# Altium PCB [Ref] EEG_Measurement_Bd.PcbDoc (part 2 of 2)
Units mm, origin at the board's own origin, x right, y up, seen from the top; angles counter-clockwise.
Board outline 150 x 97.5 mm, 4 copper layers (L1 (Sig), L2 (GND), L3 (PWR), L4 (Sig)), stack 1.57 mm thick; 171 components, 86 nets, 466 pads, 394 vias.
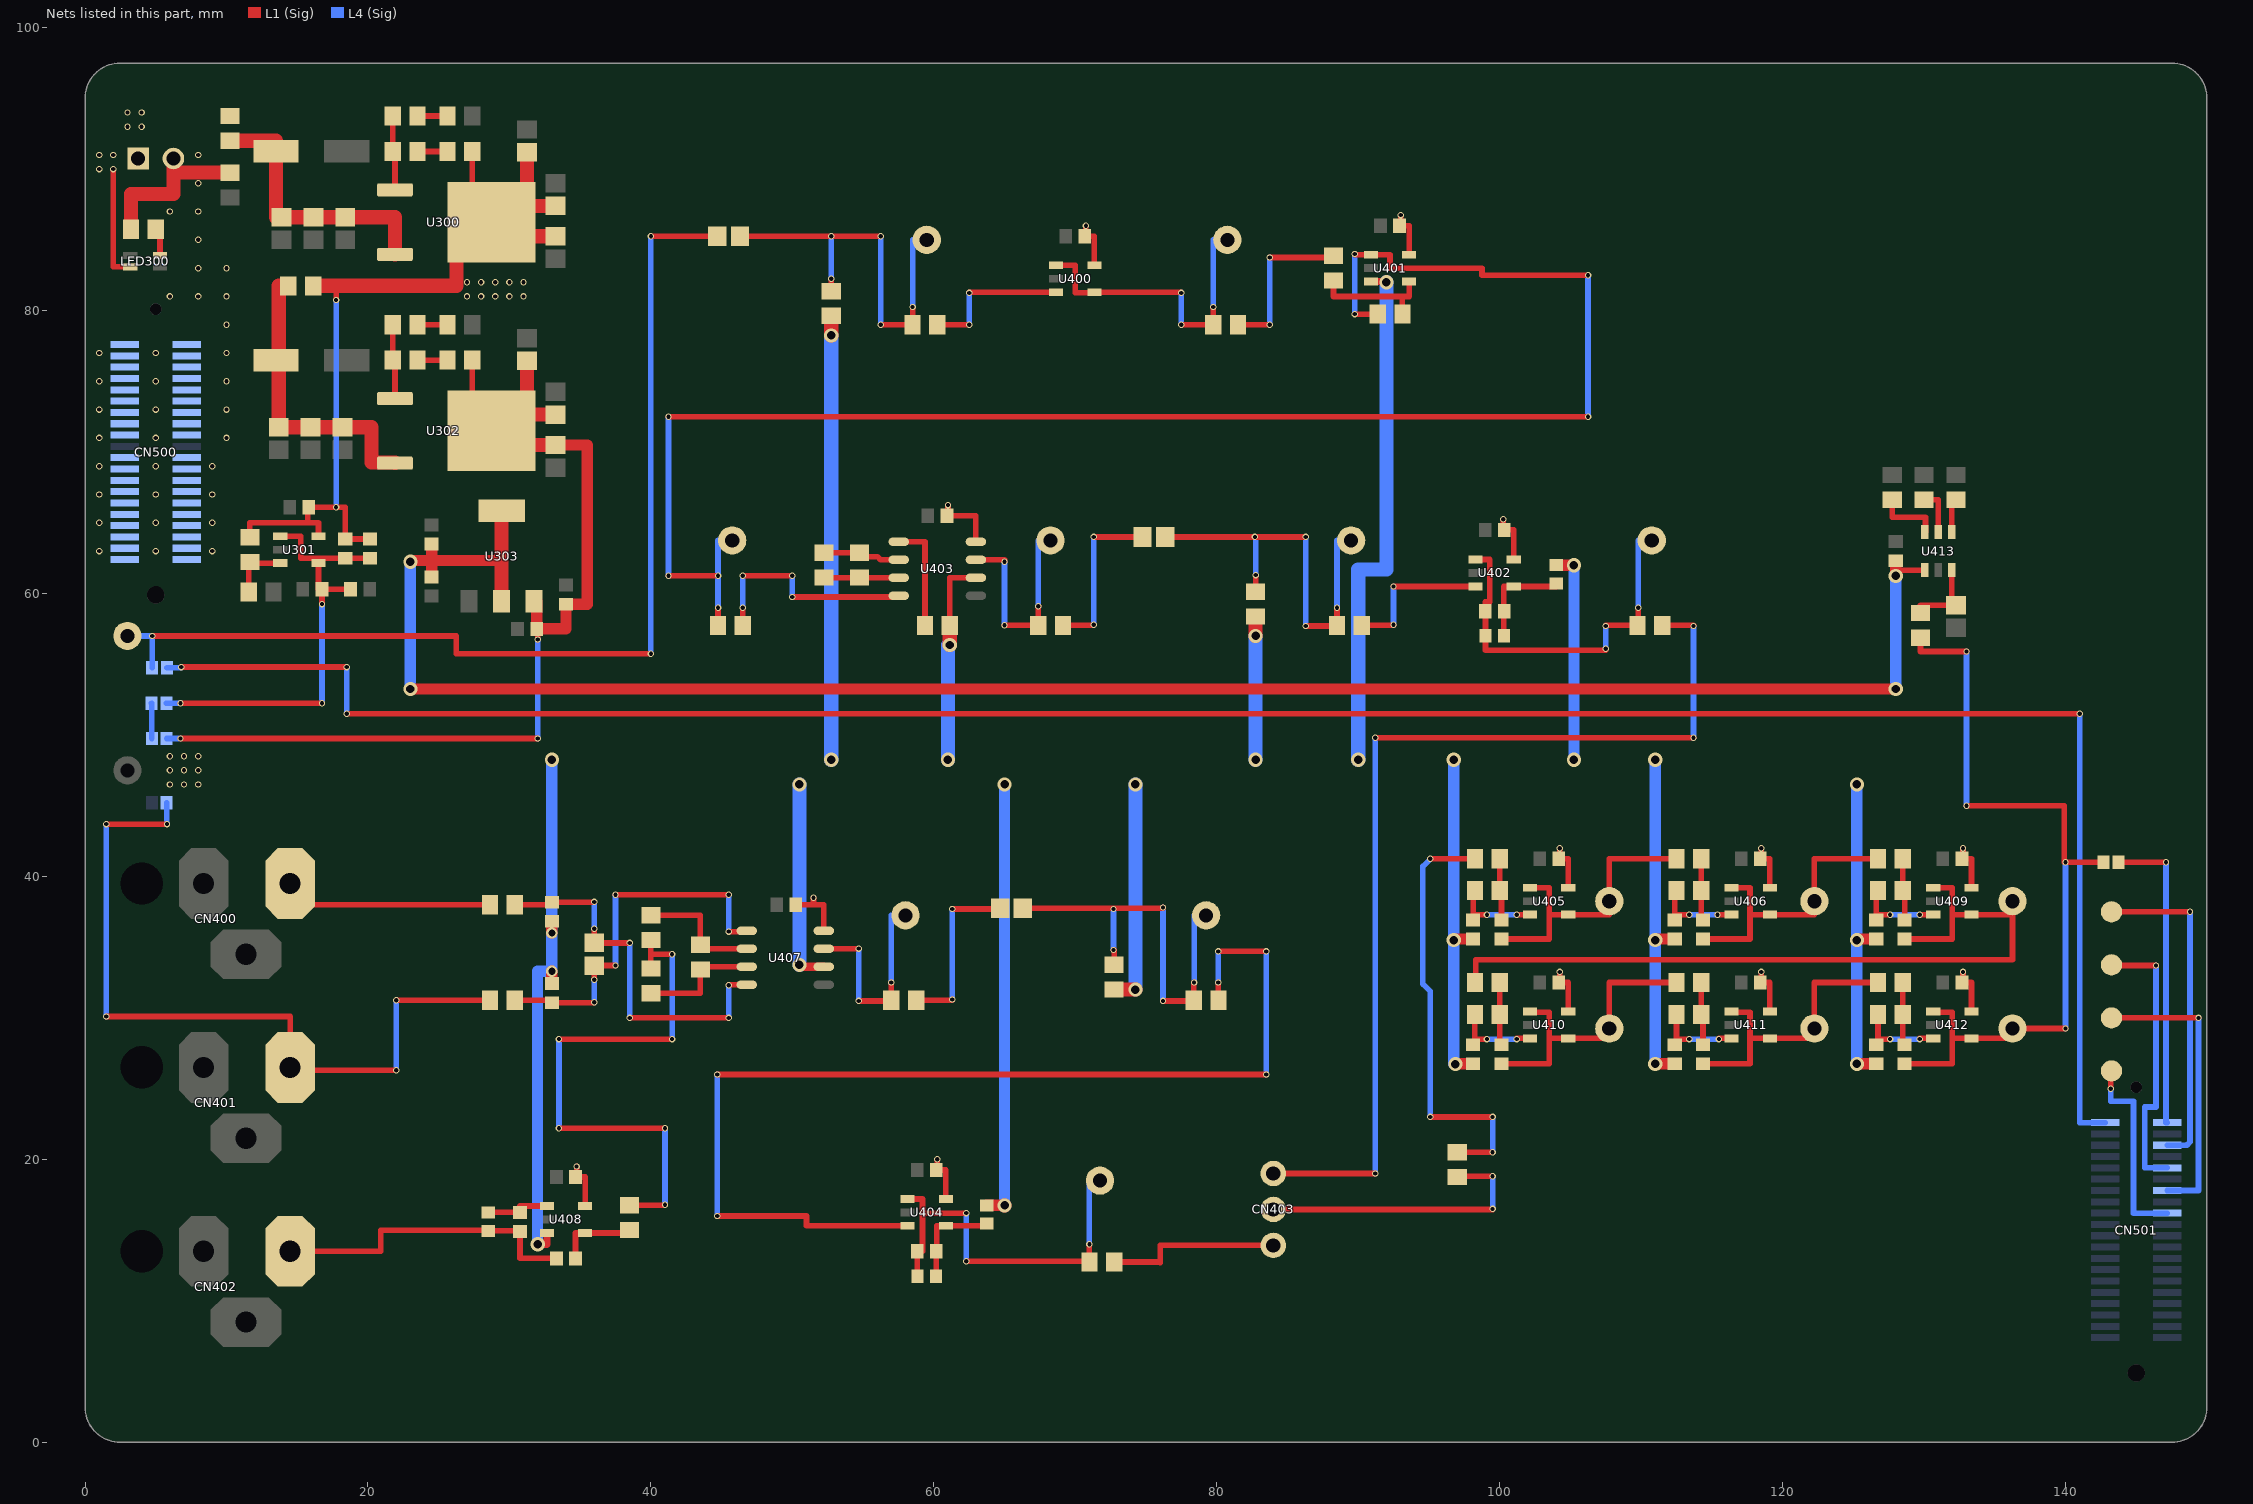
[diagram p4: the nets of this part, all layers, seen from the top]

## Via types
v1: diameter 0.45, hole 0.3, L1 (Sig) to L4 (Sig), tented both sides, 361 vias
v2: diameter 1, hole 0.6, L1 (Sig) to L4 (Sig), tented both sides, 31 vias
v3: diameter 0.8, hole 0.5, L1 (Sig) to L4 (Sig), tented both sides, 2 vias

## Nets (pads, with @x,y where several pads share a name; then routed paths per layer and width w, separated by ;. In a path a pad name is that pad's centre, name@x,y a point inside that pad or via, vN(x,y) a via of type N, cw(c..) or ccw(c..) an arc to the next point about the centre after c; other vN are vias at no path point) (continued)
AN_REF1: C409.1 C412.1 C413.1 C414.2 C422.1 C423.1 C427.1 C428.1 R409.1 R410.1 R411.1 R414.1 R427.1 R430.1 SB300.1 SB301.1 U401.3 U403.6 U407.6 U408.3 | length 282
  L1 (Sig) w0.4: R411.1@61.125,57.75 61.125,61.115 U403.6@62.975,61.115
  L1 (Sig) w0.5: v2(32,14) 32.65,14 U408.3@32.65,14.8 ; U401.3@90.9,82.05 92,82.05 v2(92,82)
  L1 (Sig) w0.6: v2(50.5,33.75) 50.5,33.615 U407.6@52.225,33.615
  L1 (Sig) w0.8: C414.2@33,32.425 v3(33,33.3) ; v3(33,36) C409.1@33,36.825 ; R430.1@63.75,16.75 v2(65,16.75) ; v2(96.75,35.5) 96.75,35.575 C412.1@98.125,35.575 ; v2(96.871,26.74) 96.871,26.75 C423.1@98.125,26.75 ; R414.1@104,62 v2(105.25,62) ; v2(111,26.75) C427.1@112.375,26.75 ; v2(111,35.5) 111,35.575 C413.1@112.375,35.575 ; v2(125.25,26.75) C428.1@126.625,26.75 ; v2(125.25,35.5) 125.25,35.575 C422.1@126.625,35.575
  L1 (Sig) w1: v2(52.75,78.25) R409.1@52.75,79.625 ; v2(61.124,56.36) R411.1@61.125,57.75 ; R427.1@72.75,32 v2(74.25,32) ; v2(82.75,57) R410.1@82.75,58.375
  L4 (Sig) w0.4: SB301.1@4.7,52.25 4.725,52.25 SB300.1@4.725,49.75
  L4 (Sig) w0.78: v2(32,14) 32,33.3
  L4 (Sig) w0.8: 32,33.3 v3(33,33.3) v3(33,36) v2(33,48.25) ; v2(65,16.75) v2(65,46.5) ; v2(96.75,48.25) v2(96.75,35.5) 96.75,26.74 v2(96.871,26.74) ; v2(105.25,48.25) v2(105.25,62) ; v2(111,26.75) v2(111,35.5) v2(111,48.25) ; v2(125.25,26.75) v2(125.25,35.5) v2(125.25,46.5)
  L4 (Sig) w1: v2(50.5,33.75) v2(50.5,46.5) ; v2(52.75,48.25) v2(52.75,78.25) ; v2(61,48.25) 61,56.36 v2(61.124,56.36) ; v2(74.25,32) v2(74.25,46.5) ; v2(82.75,48.25) v2(82.75,57) ; v2(90,48.25) 90,61.707 92,61.707 v2(92,82)
  other v1: 6,46.5 7,46.5 8,46.5 6,47.5 7,47.5 8,47.5 6,48.5 7,48.5 8,48.5
ANTI-ALIAS_FILTER: CN403.2 R415.1 | length 20.4
  L1 (Sig) w0.4: CN403.2@84,16.46 99.5,16.46 v1(99.5,16.5) ; R415.1@97,18.75 97,18.8 v1(99.5,18.8)
  L4 (Sig) w0.4: v1(99.5,16.5) v1(99.5,18.8)
ANTI-ALIAS_FILTER_OUT: C426.2 R441.1 SB500.2 TP414.1 U412.1 U412.4 | length 57.7
  L1 (Sig) w0.4: C426.2@128.625,26.75 132,26.75 132,28.55 ; R441.1@129.75,56.875 129.75,55.9 v1(133,55.9) ; U412.1@130.65,30.45 130.65,30.4 132,30.4 132,28.55 ; v1(133,45) 139.9,45 139.9,41 v1(140,41) SB500.2@142.7,41 ; v1(140,29.25) TP414.1@136.25,29.25 136.25,28.55 U412.4@133.35,28.55 132,28.55
  L4 (Sig) w0.4: v1(133,45) v1(133,55.9) ; v1(140,29.25) v1(140,41)
AP3.3VS: C319.2 C320.2 C430.2 U303.2 U303.4 U413.1 | length 140.8
  L1 (Sig) w0.4: v2(128,61.25) 128,61.65 U413.1@130.05,61.65
  L1 (Sig) w0.8: v2(23,53.25) v2(128,53.25) ; v2(23,62.25) 23,62.338 24.5,62.338 ; C319.2@24.5,61.175 24.5,62.338 ; C320.2@24.5,63.5 24.5,62.338 ; 29.45,62.5 29.45,62.338 24.5,62.338 ; v2(128,61.25) C430.2@128,62.325
  L1 (Sig) w1: U303.2@29.45,59.45 29.45,62.338 ; 29.45,62.5 U303.4@29.45,65.85
  L4 (Sig) w0.8: v2(23,53.25) v2(23,62.25) ; v2(128,53.25) v2(128,61.25)
AP6VS_LM317: C314.2 C315.2 C316.2 C317.2 C318.2 R310.2 SB300.2 U302.2 U303.3 | length 76.3
  L1 (Sig) w0.4: v1(6.75,49.75) v1(32,49.75) ; R310.2@27.375,76.5 27.375,71.5 U302.2@28.73,71.5 ; C318.2@31.925,57.5 32,57.5 v1(32,56.75)
  L1 (Sig) w0.8: U303.3@31.75,59.45 31.925,59.45 C318.2@31.925,57.5 ; C318.2@32,57.5 34,57.5 C317.2@34,59.25 35.5,59.25 35.5,70.5 C316.2@33.25,70.5
  L1 (Sig) w1: C314.2@31.25,76.45 U302.2@31.25,72.65 ; C316.2@33.25,70.5 28.73,70.5 U302.2@28.73,71.5 31.25,71.5 U302.2@31.25,72.65 ; C315.2@33.25,72.65 U302.2@31.25,72.65
  L4 (Sig) w0.4: SB300.2@5.775,49.75 v1(6.75,49.75) ; v1(32,49.75) v1(32,56.75)
AP6VS_TLV171: C300.1 C301.1 C308.2 C309.2 SB301.2 U301.1 U301.4 | length 31.4
  L1 (Sig) w0.4: v1(6.75,52.25) v1(16.75,52.25) ; U301.1@13.8,64.05 15.25,64.05 15.25,62.5 16.5,62.5 ; v1(16.75,59.25) C308.2@16.75,60.3 ; C309.2@18.775,60.3 C308.2@16.75,60.3 ; C301.1@20.15,62.5 C300.1@18.4,62.5 16.5,62.5 ; 16.5,62.5 U301.4@16.5,62.15 16.5,60.3 C308.2@16.75,60.3
  L4 (Sig) w0.4: SB301.2@5.75,52.25 v1(6.75,52.25) ; v1(16.75,52.25) v1(16.75,59.25)
AP12VS: C300.2 C301.2 C305.2 C306.2 C307.2 C310.2 C403.2 C404.2 C405.2 C406.2 C419.2 C420.2 C421.2 C431.2 C432.2 C433.2 C434.2 C435.2 C436.2 R300.2 R301.2 R309.1 U300.2 U301.5 U400.5 U401.5 U402.5 U403.8 U404.5 U405.5 U406.5 U407.8 U408.5 U409.5 U410.5 U411.5 U412.5 | length 114.6
  L1 (Sig) w0.4: R300.2@11.65,63.975 11.65,65 15.75,65 ; U301.5@16.5,64.05 16.5,65 15.75,65 ; v1(17.75,80.75) 17.75,81.75 ; C301.2@20.15,63.85 C300.2@18.4,63.85 18.4,66.091 v1(17.748,66.091) 17.748,66.1 C310.2@15.825,66.1 15.75,66.1 15.75,65 ; U300.2@27.375,86.25 R301.2@27.375,91.25 ; C421.2@34.675,18.75 C421.2@34.75,18.75 ; v1(34.75,19.5) C421.2@34.75,18.75 ; U408.5@35.35,16.7 35.35,18.75 C421.2@34.75,18.75 ; C419.2@50.25,38 51.5,38 ; v1(51.5,38.5) 51.5,38 ; U407.8@52.225,36.155 52.225,38 51.5,38 ; C420.2@60.175,19.25 C420.2@60.25,19.25 ; v1(60.25,20) C420.2@60.25,19.25 ; U404.5@60.85,17.2 60.85,19.25 C420.2@60.25,19.25 ; C405.2@60.925,65.5 C405.2@61,65.5 ; v1(61,66.25) C405.2@61,65.5 ; U403.8@62.975,63.655 62.975,65.5 C405.2@61,65.5 ; C403.2@70.675,85.25 C403.2@70.75,85.25 ; v1(70.75,86) C403.2@70.75,85.25 ; U400.5@71.35,83.2 71.35,85.25 C403.2@70.75,85.25 ; C404.2@92.925,86 C404.2@93,86 ; v1(93,86.75) C404.2@93,86 ; U401.5@93.6,83.95 93.6,86 C404.2@93,86 ; v1(100.25,65.25) 100.25,64.5 C406.2@100.325,64.5 101,64.5 U402.5@101,62.4 ; C434.2@104.175,32.5 C434.2@104.25,32.5 ; C431.2@104.175,41.25 C431.2@104.25,41.25 ; v1(104.25,33.25) C434.2@104.25,32.5 ; v1(104.25,42) C431.2@104.25,41.25 ; U410.5@104.85,30.45 104.85,32.5 C434.2@104.25,32.5 ; U405.5@104.85,39.2 104.85,41.25 C431.2@104.25,41.25 ; C435.2@118.425,32.5 C435.2@118.5,32.5 ; C432.2@118.425,41.25 C432.2@118.5,41.25 ; v1(118.5,33.25) C435.2@118.5,32.5 ; v1(118.5,42) C432.2@118.5,41.25 ; U411.5@119.1,30.45 119.1,32.5 C435.2@118.5,32.5 ; U406.5@119.1,39.2 119.1,41.25 C432.2@118.5,41.25 ; C436.2@132.675,32.5 C436.2@132.75,32.5 ; C433.2@132.675,41.25 C433.2@132.75,41.25 ; v1(132.75,33.25) C436.2@132.75,32.5 ; v1(132.75,42) C433.2@132.75,41.25 ; U412.5@133.35,30.45 133.35,32.5 C436.2@132.75,32.5 ; U409.5@133.35,39.2 133.35,41.25 C433.2@132.75,41.25
  L1 (Sig) w1: R309.1@16.125,81.75 17.75,81.75 26.25,81.75 26.25,86.25 27.375,86.25 U300.2@28.73,86.25 ; C305.2@31.25,91.2 U300.2@31.25,87.4 ; C307.2@33.25,85.25 28.73,85.25 U300.2@28.73,86.25 ; C306.2@33.25,87.4 U300.2@31.25,87.4 ; U300.2@28.73,86.25 28.73,87.4 U300.2@31.25,87.4
  L4 (Sig) w0.4: v1@17.75,66.091 v1(17.75,80.75)
  other v1: 27,81 28,81 29,81 30,81 31,81 27,82 28,82 29,82 30,82 31,82
AP24VS: C302.2 C303.2 C304.2 EC300.1 R306.2 U300.3 | length 19.7
  L1 (Sig) w1: R306.2@10.25,92 13.5,92 EC300.1@13.5,91.25 13.5,86.6 C302.2@13.9,86.6 C303.2@16.15,86.6 C304.2@18.4,86.6 21.91,86.6 U300.3@21.91,83.97
EXT_SIG_IN+: CN501.1 SB400.1 | length 169.2
  L1 (Sig) w0.4: v1(6.8,54.8) v1(18.5,54.8) ; v1(18.5,51.5) v1(141,51.5)
  L4 (Sig) w0.4: SB400.1@5.8,54.75 6.8,54.75 v1(6.8,54.8) ; v1(18.5,51.5) v1(18.5,54.8) ; v1(141,51.5) 141,22.6 CN501.1@142.8,22.6
FILTER_INPUT_EEG: CN403.3 R422.1 | length 12.5
  L1 (Sig) w0.4: R422.1@72.75,12.75 76,12.75 ; 76,12.7 76,12.75 ; CN403.3@84,13.92 76,13.92 76,12.75
FILTER_INPUT_TEST: CN403.1 R403.1 | length 70.7
  L1 (Sig) w0.4: CN403.1@84,19 v1(91.2,19) ; v1(91.2,49.8) v1(113.7,49.8) ; R403.1@111.5,57.75 113.7,57.75 v1(113.7,57.7)
  L4 (Sig) w0.4: v1(91.2,19) v1(91.2,49.8) ; v1(113.7,49.8) v1(113.7,57.7)
GNDPWR: CN300.2 CN500.21 CN500.22 CN500.23 CN500.24 CN500.25 CN500.26 CN500.27 CN500.28 CN500.29 CN500.30 CN500.31 CN500.32 CN500.33 CN500.34 CN500.35 CN500.36 CN500.37 CN500.38 CN500.39 CN500.40 R307.1 R308.1 | length 12
  L1 (Sig) w1: R308.1@3.25,85.75 3.25,88.25 6.25,88.25 6.25,89.75 ; CN300.2@6.25,90.75 6.25,89.75 ; R307.1@10.25,89.75 6.25,89.75
  other v1: 1,63 5,63 9,63 1,65 5,65 9,65 1,67 5,67 9,67 1,69 5,69 9,69 10,71 10,73 10,75 10,77 10,79 6,81 8,81 10,81 8,83 10,83 8,85 6,87 8,87 8,89 8,91
IN24VS: CN300.1 CN500.1 CN500.2 CN500.3 CN500.4 CN500.5 CN500.6 CN500.7 CN500.8 CN500.9 CN500.10 CN500.11 CN500.12 CN500.13 CN500.14 CN500.15 CN500.16 CN500.17 CN500.18 LED300.4 R306.1 | length 8.1
  L1 (Sig) w0.4: v1(2,90) 2,83.1 LED300.4@3.2,83.1
  other v1: 1,71 5,71 1,73 5,73 1,75 5,75 1,77 5,77 1,90 1,91 2,91 3,93 4,93 3,94 4,94
LM317_ADJ: R302.2 R303.2 U300.1 | length 5.4
  L1 (Sig) w0.4: R303.2@21.75,93.75 R302.2@21.75,91.25 21.91,91.25 U300.1@21.91,88.53
NetC311_2: C311.2 C312.2 C313.2 EC301.1 R309.2 U302.3 | length 21.6
  L1 (Sig) w1: EC301.1@13.5,76.5 EC301.1@13.7,76.5 ; R309.2@14.375,81.75 13.7,81.75 EC301.1@13.7,76.5 ; U302.3@21.91,69.22 21.91,69.25 20.25,69.25 20.25,71.75 C313.2@18.2,71.75 C312.2@15.95,71.75 C311.2@13.7,71.75 EC301.1@13.7,76.5
NetC401_1: C401.1 R404.1 | length 11.9
  L1 (Sig) w0.4: R404.1@69.125,57.75 71.3,57.75 v1(71.3,57.8) ; v1(71.3,64) C401.1@74.75,64
  L4 (Sig) w0.4: v1(71.3,57.8) v1(71.3,64)
NetC402_2: C402.2 R413.1 R414.2 U402.4 | length 7.4
  L1 (Sig) w0.4: R413.1@100.3,57 C402.2@100.3,58.75 ; C402.2@100.325,58.75 C402.2@100.3,58.75 ; R414.2@104,60.7 104,60.5 U402.4@101,60.5 100.3,60.5 C402.2@100.3,58.75
NetC407_1: C407.1 R418.2 R419.1 | length 4.5
  L1 (Sig) w0.4: R418.2@100,41.25 R419.1@100,39 100.125,39 C407.1@100.125,36.925
NetC408_1: C408.1 R420.2 R421.1 | length 4.4
  L1 (Sig) w0.4: R420.2@114.25,41.25 R421.1@114.25,39 114.25,36.925 C408.1@114.375,36.925
NetC409_2: C409.2 C411.2 R416.2 U407.4 | length 27.1
  L1 (Sig) w0.4: R416.2@30.375,38 33,38 C409.2@33,38.175 36,38.175 v1(36,38.2) ; v1(36,36.3) C411.2@36,35.3 v1(38.5,35.3) ; v1(38.5,30) v1(45.5,30) ; v1(45.5,32.3) 45.5,32.345 U407.4@46.775,32.345
  L4 (Sig) w0.4: v1(36,36.3) v1(36,38.2) ; v1(38.5,30) v1(38.5,35.3) ; v1(45.5,30) v1(45.5,32.3)
NetC410_1: C410.1 R423.1 | length 12.4
  L1 (Sig) w0.4: R423.1@58.75,31.25 61.3,31.25 v1(61.3,31.3) ; v1(61.3,37.7) 64.7,37.7 C410.1@64.7,37.75
  L4 (Sig) w0.4: v1(61.3,31.3) v1(61.3,37.7)
NetC411_1: C411.1 C414.1 R428.2 U407.1 | length 26.9
  L1 (Sig) w0.4: R428.2@30.375,31.25 33,31.25 C414.1@33,31.075 36,31.075 v1(36,31.1) ; v1(36,32.7) C411.1@36,33.7 v1(37.5,33.7) ; v1(37.5,38.7) v1(45.5,38.7) ; v1(45.5,36.1) 46.775,36.1 U407.1@46.775,36.155
  L4 (Sig) w0.4: v1(36,31.1) v1(36,32.7) ; v1(37.5,33.7) v1(37.5,38.7) ; v1(45.5,36.1) v1(45.5,38.7)
NetC412_2: C412.2 R419.2 U405.3 | length 6.2
  L1 (Sig) w0.4: C412.2@98.125,36.925 C412.2@98.125,37.3 ; R419.2@98.25,39 98.125,39 C412.2@98.125,37.3 ; v1(99.1,37.3) C412.2@98.125,37.3 ; v1(101.2,37.3) U405.3@102.15,37.3
  L4 (Sig) w0.4: v1(99.1,37.3) v1(101.2,37.3)
NetC413_2: C413.2 R421.2 U406.3 | length 5.8
  L1 (Sig) w0.4: R421.2@112.5,39 112.375,39 112.375,37.3 v1(113.4,37.3) ; v1(115.4,37.3) U406.3@116.4,37.3
  L4 (Sig) w0.4: v1(113.4,37.3) v1(115.4,37.3)
NetC415_2: C415.2 R429.1 R430.2 U404.4 | length 7.3
  L1 (Sig) w0.4: R429.1@60.15,11.75 60.175,11.75 C415.2@60.175,13.5 60.2,13.5 60.2,15.3 U404.4@60.85,15.3 63.75,15.3 R430.2@63.75,15.45
NetC416_1: C416.1 R433.2 R434.1 | length 4.4
  L1 (Sig) w0.4: R433.2@128.5,41.25 R434.1@128.5,39 128.625,39 C416.1@128.625,36.925
NetC417_1: C417.1 R435.2 R436.1 | length 4.5
  L1 (Sig) w0.4: R435.2@100,32.5 100,28.1 C417.1@100.125,28.1
NetC418_1: C418.1 R431.2 U408.1 | length 4.6
  L1 (Sig) w0.4: R431.2@28.5,16.25 C418.1@30.75,16.25 30.75,16.7 U408.1@32.65,16.7
NetC418_2: C418.2 C424.2 CN402.1 R431.1 | length 22.3
  L1 (Sig) w0.4: CN402.1@14.5,13.5 20.9,13.5 20.9,15 28.5,15 R431.1@28.5,14.95 30.75,14.95 C418.2@30.75,14.9 30.75,13 C424.2@33.325,13
NetC422_2: C422.2 R434.2 U409.3 | length 6.2
  L1 (Sig) w0.4: C422.2@126.625,36.925 C422.2@126.625,37.3 ; R434.2@126.75,39 126.625,39 C422.2@126.625,37.3 ; v1(127.6,37.3) C422.2@126.625,37.3 ; v1(129.7,37.3) U409.3@130.65,37.3
  L4 (Sig) w0.4: v1(127.6,37.3) v1(129.7,37.3)
NetC423_2: C423.2 R436.2 U410.3 | length 6.1
  L1 (Sig) w0.4: C423.2@98.25,28.1 C423.2@98.25,28.5 ; R436.2@98.25,30.25 C423.2@98.25,28.5 ; v1(99.1,28.5) C423.2@98.25,28.5 ; v1(101.2,28.5) 101.2,28.55 U410.3@102.15,28.55
  L4 (Sig) w0.4: v1(99.1,28.5) v1(101.2,28.5)
NetC424_1: C424.1 R432.1 U408.4 | length 5.8
  L1 (Sig) w0.4: C424.1@34.675,13 34.675,14.8 U408.4@35.35,14.8 38.5,14.8 R432.1@38.5,15
NetC425_1: C425.1 R437.2 R438.1 | length 4.5
  L1 (Sig) w0.4: R437.2@114.25,32.5 R438.1@114.25,30.25 114.375,30.25 C425.1@114.375,28.1
NetC426_1: C426.1 R439.2 R440.1 | length 4.5
  L1 (Sig) w0.4: R439.2@128.5,32.5 R440.1@128.5,30.25 128.5,28.1 C426.1@128.625,28.1
NetC427_2: C427.2 R438.2 U411.3 | length 5.7
  L1 (Sig) w0.4: R438.2@112.5,30.25 112.5,28.5 v1(113.4,28.5) ; v1(115.5,28.5) 115.5,28.55 U411.3@116.4,28.55
  L4 (Sig) w0.4: v1(113.4,28.5) v1(115.5,28.5)
NetC428_2: C428.2 R440.2 U412.3 | length 5.7
  L1 (Sig) w0.4: R440.2@126.75,30.25 126.75,28.5 v1(127.6,28.5) ; v1(129.7,28.5) 129.7,28.55 U412.3@130.65,28.55
  L4 (Sig) w0.4: v1(127.6,28.5) v1(129.7,28.5)
NetC429_2: C429.2 R441.2 U413.3 | length 5.7
  L1 (Sig) w0.4: R441.2@129.75,58.5 R441.2@129.75,58.625 129.75,59.175 C429.2@131.95,59.175 ; U413.3@131.95,61.65 C429.2@131.95,59.175 ; C429.2@132.25,59.15 C429.2@132.25,59.175 C429.2@131.95,59.175
NetCN400_1: CN400.1 R416.1 | length 15.6
  L1 (Sig) w0.4: CN400.1@14.5,39.5 14.5,38 R416.1@28.625,38
NetCN401_1: CN401.1 R428.1 SB401.2 | length 55.3
  L1 (Sig) w0.4: v1(1.5,30.1) 14.5,30.1 CN401.1@14.5,26.5 14.5,26.3 v1(22,26.3) ; v1(1.5,43.7) v1(5.8,43.7) ; v1(22,31.25) R428.1@28.625,31.25
  L4 (Sig) w0.4: v1(1.5,30.1) v1(1.5,43.7) ; SB401.2@5.775,45.2 5.775,43.7 v1(5.8,43.7) ; v1(22,26.3) v1(22,31.25)
NetCN501_2: CN501.2 SB500.1 | length 21.8
  L1 (Sig) w0.4: SB500.1@143.75,41 v1(147.1,41)
  L4 (Sig) w0.4: v1(147.1,41) 147.1,22.6 CN501.2@147.2,22.6
NetCN501_6: CN501.6 TP500.1 | length 23.5
  L1 (Sig) w0.4: TP500.1@143.25,37.5 v1(148.8,37.5)
  L4 (Sig) w0.4: CN501.6@147.2,21 148.566,21 148.8,21.234 v1(148.8,37.5)
NetCN501_10: CN501.10 TP501.1 | length 19.9
  L1 (Sig) w0.4: TP501.1@143.25,33.75 143.25,33.7 v1(146.4,33.7)
  L4 (Sig) w0.4: v1(146.4,33.7) 146.4,23.7 145.6,23.7 145.6,19.4 CN501.10@147.2,19.4
NetCN501_14: CN501.14 TP502.1 | length 20.6
  L1 (Sig) w0.4: TP502.1@143.25,30 v1(149.4,30)
  L4 (Sig) w0.4: CN501.14@147.2,17.8 149.4,17.8 v1(149.4,30)
NetCN501_18: CN501.18 TP503.1 | length 14.1
  L1 (Sig) w0.4: v1(143.2,25) 143.2,26.25 TP503.1@143.25,26.25
  L4 (Sig) w0.4: v1(143.2,25) 143.2,24.1 144.8,24.1 144.8,16.2 CN501.18@147.2,16.2
NetLED300_2: LED300.2 R308.2 | length 2.2
  L1 (Sig) w0.4: R308.2@5,85.75 5.3,85.75 LED300.2@5.3,83.9
NetR300_1: R300.1 R304.2 U301.3 | length 4.4
  L1 (Sig) w0.4: R304.2@11.575,60.1 11.575,62.225 R300.1@11.65,62.225 11.65,62.15 U301.3@13.8,62.15
NetR301_1: R301.1 R302.1 | length 2.1
  L1 (Sig) w0.4: R302.1@23.5,91.25 R301.1@25.625,91.25
NetR303_1: R303.1 R305.2 | length 2.1
  L1 (Sig) w0.4: R303.1@23.5,93.75 R305.2@25.625,93.75
NetR310_1: R310.1 R311.2 | length 2.1
  L1 (Sig) w0.4: R311.2@23.5,76.5 R310.1@25.625,76.5
NetR311_1: R311.1 R312.2 U302.1 | length 5.4
  L1 (Sig) w0.4: R312.2@21.75,79 R311.1@21.75,76.5 21.91,76.5 U302.1@21.91,73.78
NetR312_1: R312.1 R313.2 | length 2.1
  L1 (Sig) w0.4: R312.1@23.5,79 R313.2@25.625,79
NetR400_1: R400.1 U400.3 | length 10.7
  L1 (Sig) w0.4: R400.1@60.25,79 v1(62.5,79) ; v1(62.5,81.25) 62.5,81.3 U400.3@68.65,81.3
  L4 (Sig) w0.4: v1(62.5,79) v1(62.5,81.25)
NetR401_1: R401.1 R406.1 | length 11.6
  L1 (Sig) w0.4: R401.1@81.5,79 v1(83.75,79) ; v1(83.75,83.75) 88.25,83.75 R406.1@88.25,83.875
  L4 (Sig) w0.4: v1(83.75,79) v1(83.75,83.75)
NetR402_1: R402.1 U403.4 | length 16.1
  L1 (Sig) w0.4: R402.1@46.5,57.75 v1(46.5,59) ; v1(46.5,61.25) v1(50,61.25) ; v1(50,59.75) 57.525,59.75 U403.4@57.525,59.845
  L4 (Sig) w0.4: v1(46.5,59) v1(46.5,61.25) ; v1(50,59.75) v1(50,61.25)
NetR405_1: R405.1 U402.3 | length 10.8
  L1 (Sig) w0.4: R405.1@90.25,57.75 92.5,57.75 v1(92.5,57.8) ; v1(92.5,60.5) U402.3@98.3,60.5
  L4 (Sig) w0.4: v1(92.5,57.8) v1(92.5,60.5)
NetR406_2: R406.2 R412.1 U401.4 | length 8.8
  L1 (Sig) w0.4: R406.2@88.25,82.125 88.25,81 93.125,81 ; R412.1@93.125,79.75 93.125,81 ; U401.4@93.6,82.05 93.6,81 93.125,81
NetR407_1: R407.1 R408.1 U403.3 | length 5.3
  L1 (Sig) w0.4: R407.1@52.25,61.125 R408.1@54.75,61.125 57.525,61.125 U403.3@57.525,61.115
NetR407_2: R407.2 R408.2 U403.2 | length 5.5
  L1 (Sig) w0.4: R407.2@52.25,62.875 R408.2@54.75,62.875 55.019,62.606 56.014,62.606 56.234,62.385 U403.2@57.525,62.385
NetR411_2: R411.2 U403.1 | length 7.8
  L1 (Sig) w0.4: U403.1@57.525,63.655 59.375,63.655 R411.2@59.375,57.75
NetR415_2: R415.2 R418.1 | length 31.2
  L1 (Sig) w0.4: v1(95.1,23) v1(99.5,23) ; v1(95.1,41.25) R418.1@98.25,41.25 ; R415.2@97,20.5 v1(99.5,20.5)
  L4 (Sig) w0.4: v1(95.1,23) 95.1,31.877 94.575,32.402 94.575,40.711 95.1,41.236 v1(95.1,41.25) ; v1(99.5,20.5) v1(99.5,23)
NetR417_1: R417.1 R426.2 R432.2 | length 39.2
  L1 (Sig) w0.4: v1(33.5,22.2) v1(41,22.2) ; v1(33.5,28.5) v1(41.5,28.5) ; R432.2@38.5,16.75 40.936,16.75 40.986,16.8 v1(41,16.8) ; R426.2@40,33.5 40,34.5 ; R417.1@40,35.5 40,34.5 ; v1(41.5,34.5) 40,34.5
  L4 (Sig) w0.4: v1(33.5,22.2) v1(33.5,28.5) ; v1(41,16.8) v1(41,22.2) ; v1(41.5,28.5) v1(41.5,34.5)
NetR417_2: R417.2 R425.2 U407.2 | length 9.1
  L1 (Sig) w0.4: R417.2@40,37.25 43.5,37.25 R425.2@43.5,35.175 43.5,34.885 U407.2@46.775,34.885
NetR424_1: R424.1 U404.3 | length 78.5
  L1 (Sig) w0.4: v1(44.7,16) 51,16 51,15.3 U404.3@58.15,15.3 ; v1(44.7,26) v1(83.5,26) ; v1(80.1,32.5) 80.1,31.25 R424.1@80.125,31.25 ; v1(80.1,34.7) v1(83.5,34.7)
  L4 (Sig) w0.4: v1(44.7,16) v1(44.7,26) ; v1(80.1,32.5) v1(80.1,34.7) ; v1(83.5,26) v1(83.5,34.7)
NetR425_1: R425.1 R426.1 U407.3 | length 8.6
  L1 (Sig) w0.4: R426.1@40,31.75 43.5,31.75 R425.1@43.5,33.425 43.5,33.615 U407.3@46.775,33.615
NetR442_1: R442.1 U413.4 | length 2.6
  L1 (Sig) w0.4: U413.4@131.95,64.35 131.95,66.625 R442.1@132.25,66.625
NetR443_1: R443.1 U413.5 | length 3.3
  L1 (Sig) w0.4: R443.1@130,66.625 131,66.625 U413.5@131,64.35
NetR444_1: R444.1 U413.6 | length 4.7
  L1 (Sig) w0.4: R444.1@127.75,66.625 127.75,65.4 130.1,65.4 130.1,64.35 U413.6@130.05,64.35
PIN_EXT_SIG+: C400.1 SB400.2 TP415.1 | length 74.7
  L1 (Sig) w0.4: v1(4.75,57) 26.25,57 26.25,55.75 v1(40,55.75) ; v1(40,85.25) C400.1@44.7,85.25
  L4 (Sig) w0.4: TP415.1@3,57 v1(4.75,57) SB400.2@4.75,54.75 ; v1(40,55.75) v1(40,85.25)
TP_AAF1: C407.2 R420.1 TP409.1 U405.1 U405.4 | length 21.3
  L1 (Sig) w0.4: C407.2@100.125,35.575 103.5,35.575 103.5,37.3 ; U405.1@102.15,39.2 103.5,39.2 103.5,37.3 ; R420.1@112.5,41.25 107.75,41.25 TP409.1@107.75,38.25 107.75,37.3 U405.4@104.85,37.3 103.5,37.3
TP_AAF2: C408.2 R433.1 TP410.1 U406.1 U406.4 | length 21.2
  L1 (Sig) w0.4: C408.2@114.375,35.575 117.7,35.575 117.7,37.3 ; U406.1@116.4,39.2 117.7,39.2 117.7,37.3 ; R433.1@126.75,41.25 122.25,41.25 TP410.1@122.25,38.25 122.25,37.3 U406.4@119.1,37.3 117.7,37.3
TP_AAF3: C416.2 R435.1 TP411.1 U409.1 U409.4 | length 56.4
  L1 (Sig) w0.4: R435.1@98.25,32.5 98.3,32.5 98.3,34.1 136.25,34.1 TP411.1@136.25,37.3 ; C416.2@128.625,35.575 132,35.575 132,37.3 ; U409.1@130.65,39.2 132,39.2 132,37.3 ; TP411.1@136.25,38.25 TP411.1@136.25,37.3 ; 132,37.3 U409.4@133.35,37.3 TP411.1@136.25,37.3
TP_AAF4: C417.2 R437.1 TP412.1 U410.1 U410.4 | length 21.4
  L1 (Sig) w0.4: C417.2@100.125,26.75 103.5,26.75 103.5,28.55 ; U410.1@102.15,30.45 102.15,30.4 103.5,30.4 103.5,28.55 ; R437.1@112.5,32.5 107.75,32.5 TP412.1@107.75,29.25 107.75,28.55 U410.4@104.85,28.55 103.5,28.55
TP_AAF5: C425.2 R439.1 TP413.1 U411.1 U411.4 | length 21.3
  L1 (Sig) w0.4: C425.2@114.375,26.75 117.7,26.75 117.7,28.55 ; U411.1@116.4,30.45 116.4,30.4 117.7,30.4 117.7,28.55 ; R439.1@126.75,32.5 122.25,32.5 TP413.1@122.25,29.25 122.25,28.55 U411.4@119.1,28.55 117.7,28.55
TP_ES1: R423.2 TP406.1 U407.7 | length 15.5
  L1 (Sig) w0.4: U407.7@52.225,34.885 54.7,34.885 v1(54.7,34.9) ; v1(54.7,31.2) 57,31.2 R423.2@57,31.25 v1(57,32.5)
  L4 (Sig) w0.4: v1(54.7,31.2) v1(54.7,34.9) ; v1(57,32.5) 57,37.25 TP406.1@58,37.25
TP_ES2: C410.2 R424.2 R427.2 TP407.1 | length 29.6
  L1 (Sig) w0.4: C410.2@66.3,37.75 76.2,37.75 v1(76.2,37.8) ; v1(72.7,34.8) 72.75,34.8 R427.2@72.75,33.75 ; v1(76.2,31.2) 78.375,31.2 R424.2@78.375,31.25 78.375,32.5 v1(78.4,32.5)
  L4 (Sig) w0.4: v1(72.7,34.8) v1(72.7,37.7) ; v1(76.2,31.2) v1(76.2,37.8) ; v1(78.4,32.5) 78.4,37.25 TP407.1@79.25,37.25
TP_ES3: C415.1 R422.2 R429.2 TP408.1 U404.1 | length 28.6
  L1 (Sig) w0.4: U404.1@58.15,17.2 59.2,17.2 59.2,16.2 ; R429.2@58.85,11.75 58.825,11.75 C415.1@58.825,13.5 59.2,13.5 59.2,16.2 ; v1(62.3,12.8) R422.2@71,12.8 ; v1(62.3,16.2) 59.2,16.2 ; R422.2@71,12.75 R422.2@71,12.8 ; v1(71,14) R422.2@71,12.8
  L4 (Sig) w0.4: v1(62.3,12.8) v1(62.3,16.2) ; v1(71,14) 71,18.5 TP408.1@71.75,18.5
TP_TS1: C400.2 R400.2 R409.2 TP400.1 | length 29.6
  L1 (Sig) w0.4: C400.2@46.3,85.25 v1(52.75,85.25) v1(56.25,85.25) ; R409.2@52.75,81.375 v1(52.75,82.25) ; v1(56.25,79) R400.2@58.5,79 v1(58.5,80.25) ; TP400.1@59.5,85 TP400.1@59.5,85.25
  L4 (Sig) w0.4: v1(52.75,82.25) v1(52.75,85.25) ; v1(56.25,79) v1(56.25,85.25) ; v1(58.5,80.25) 58.5,85 TP400.1@59.5,85
TP_TS2: R401.2 TP401.1 U400.1 U400.4 | length 22.4
  L1 (Sig) w0.4: U400.1@68.65,83.2 70,83.2 70,81.25 71.35,81.25 U400.4@71.35,81.3 77.5,81.3 v1(77.5,81.25) ; v1(77.5,79) R401.2@79.75,79 v1(79.75,80.25)
  L4 (Sig) w0.4: v1(77.5,79) v1(77.5,81.25) ; v1(79.75,80.25) 79.75,85 TP401.1@80.75,85
TP_TS3: R402.2 R412.2 TP402.1 U401.1 | length 120.6
  L1 (Sig) w0.4: v1(41.25,61.25) v1(44.75,61.25) ; v1(41.25,72.5) v1(106.25,72.5) ; R402.2@44.75,57.75 v1(44.75,59) ; v1(89.75,79.75) R412.2@91.375,79.75 ; v1(89.75,84) 89.75,83.95 U401.1@90.9,83.95 92.25,83.95 92.25,83 98.75,83 98.75,82.5 v1(106.25,82.5)
  L4 (Sig) w0.4: v1(41.25,61.25) v1(41.25,72.5) ; v1(44.75,59) v1(44.75,61.25) 44.75,63.75 TP402.1@45.75,63.75 ; v1(89.75,79.75) v1(89.75,84) ; v1(106.25,72.5) v1(106.25,82.5)
TP_TS4: R404.2 TP403.1 U403.7 | length 15.9
  L1 (Sig) w0.4: U403.7@62.975,62.385 65,62.385 v1(65,62.25) ; v1(65,57.75) R404.2@67.375,57.75 v1(67.375,59.1) v1@67.4,59.1
  L4 (Sig) w0.4: v1(65,57.75) v1(65,62.25) ; v1(67.375,59.1) 67.375,63.75 TP403.1@68.25,63.75
TP_TS5: C401.2 R405.2 R410.2 TP404.1 | length 29.4
  L1 (Sig) w0.4: C401.2@76.35,64 v1(86.3,64) ; R410.2@82.75,60.125 v1(82.75,61.3) ; v1(86.3,57.7) 88.5,57.7 R405.2@88.5,57.75 v1(88.5,59)
  L4 (Sig) w0.4: v1(82.7,64) 82.7,63.986 82.75,63.936 v1(82.75,61.3) ; v1(86.3,57.7) v1(86.3,64) ; v1(88.5,59) 88.5,63.75 TP404.1@89.5,63.75
TP_TS6: C402.1 R403.2 R413.2 TP405.1 U402.1 | length 27.3
  L1 (Sig) w0.4: U402.1@98.3,62.4 99.3,62.4 99.3,59.4 98.975,59.4 C402.1@98.975,58.75 99,58.75 R413.2@99,57 99,56 107.5,56 v1(107.5,56.1) ; v1(107.5,57.7) 107.5,57.75 R403.2@109.75,57.75 109.8,57.75 v1(109.8,59)
  L4 (Sig) w0.4: v1(107.5,56.1) v1(107.5,57.7) ; v1(109.8,59) 109.8,63.75 TP405.1@110.75,63.75
pads on no net: CN400.0 CN400.2 CN400.3 CN401.0 CN401.2 CN401.3 CN402.0 CN402.2 CN402.3 CN500. CN500.19 CN500.20 CN501. CN501.3 CN501.4 CN501.7 CN501.8 CN501.11 CN501.12 CN501.15 CN501.16 CN501.19 CN501.20 LED300.1 LED300.3

## Polygon pours and split planes (outlines as drawn)
AGND on L4 (Sig) "AGND_L4(Sig)" (solid, remove dead copper, pour order 14): 11.5,97 11.5,88.5 9.5,88.5 9.5,84 12,84 12,61.5 0.5,61.5 0.5,2 2,0.5 147.5,0.5 149.5,2.5 149.5,95 147.5,97
AN_REF1 on L4 (Sig) "AN_REF1_L4(Sig)" (solid, remove dead copper, pour order 8): 3.75,53.5 3.75,49 5.5,49 5.5,46 8.75,46 8.75,53.5
IN24VS on L4 (Sig) "IN24VS_L4(Sig)" (solid, remove dead copper, pour order 5): 8.5,79 0.5,79 0.5,70.75 8.5,70.75
GNDPWR on L4 (Sig) "GNDPWR_L4(Sig)" (solid, remove dead copper, pour order 1): 11.5,65.4 10.5,65.4 10.5,62 0.5,62 0.5,70 9,70 9,79.5 5.3,79.5 5.3,92.2 9,92.2 9,90.4 11,90.4 11,89.1 9,89.1 9,83.5 11.5,83.5
AGND on L1 (Sig) "AGND_L1(Sig)" (solid, remove dead copper, pour order 13): 12,84 12,65 11,65 11,61.5 0.5,61.5 0.5,2 2,0.5 147.5,0.5 149.5,2.5 149.5,95 147.5,97 11.5,97 11.5,88.5 9.5,88.5 9.5,84
GNDPWR on L1 (Sig) "GNDPWR_L1(Sig)" (solid, remove dead copper, pour order 7): 5.3,92.2 5.3,79.5 9,79.5 9,70 0.5,70 0.5,62 10.5,62 10.5,65.4 11.5,65.4 11.5,83.5 9,83.5 9,89.1 11,89.1 11,90.4 9,90.4 9,92.2
AP12VS on L1 (Sig) "AP12VS_L1(Sig)" (solid, remove dead copper, pour order 11): 25,89.5 25,80.5 32,80.5 32,84.5 34.5,84.5 34.5,88 32,88 32,92 26.5,92 26.5,89.5
AN_REF1 on L1 (Sig) "AN_REF1_L1(Sig)" (solid, remove dead copper, pour order 9): 127.5,46 127.5,48.75 5.5,48.75 5.5,46
IN24VS on L1 (Sig) "IN24VS_L1(Sig)" (solid, remove dead copper, pour order 3): 11.25,94.5 11.25,93 4.75,93 4.75,89.75 0.5,89.75 0.5,94.5
AP12VS on L3 (PWR) "AP12VS_L3(PWR)" (solid, remove dead copper, pour order 10): 25,93 25,84 11,84 11,56 29,56 29,9 135,9 135,53 108,53 108,93
IN24VS on L3 (PWR) "IN24VS_L3(PWR)" (solid, remove dead copper, pour order 4): 0.5,70.75 8.5,70.75 8.5,79 4.75,79 4.75,94.5 0.5,94.5
AGND on L2 (GND) "AGND_L2(GND)" (solid, remove dead copper, pour order 12): 149.5,95 147.5,97 11.5,97 11.5,88.5 9.5,88.5 9.5,84 12,84 12,65 11,65 11,61.5 0.5,61.5 0.5,2 2,0.5 147.5,0.5 149.5,2.5
GNDPWR on L2 (GND) "GNDPWR_L2(GND)" (solid, remove dead copper, pour order 6): 0.5,62 10.5,62 10.5,65.4 11.5,65.4 11.5,83.5 9,83.5 9,89.1 11,89.1 11,90.4 9,90.4 9,92.2 5.3,92.2 5.3,79.5 9,79.5 9,70 0.5,70

## Keep-outs
Keep-Out Layer:
  the board outline again, w0.1

## Silkscreen, mask and mechanical layers (free items; w line width, h text height)
Top Overlay:
  drawing of 298 lines, arcs and shapes, not listed
  text "POWER" at 2,94.75 h1.52
  text "INPUT : TEST SIGNAL" at 38.25,92.5 h2
  text "Bias Shifter  (Bias : 0V → 6V)" at 41,89.532 h1.5
  text "Voltage Follower" at 62.25,89.532 h1.5
  text "Inverting Amp (G : 0.001)" at 83.5,89.532 h1.5
  text "IN24VS" at 6.5,82.75 h1.52
  text "A/D Converter" at 122,72.5 h2
  text "Inst. Amp (G : 1000)" at 49.75,68.282 h1.5
  text "Bias Shifter  (Bias : 0V → 6V)" at 71,68.282 h1.5
  text "Low-pass Filter (G : 100)" at 92.25,68.282 h1.5
  text "CARRIER B'd" at 145.64,56.75 h2 r90
  text "EXT. SIG" at 4.5,56.295 h1.52
  text "AGND" at 4.5,46.75 h1.52
  text "INPUT : EEG SIGNAL" at 23,45 h2
  text "Anti-Alias Filter" at 94.5,45 h2
  text "Inst. Amp (G : 1000)" at 25.75,41.782 h1.5
  text "Bias Shifter  (Bias : 0V → 6V)" at 61,41.782 h1.5
  text "EEG_IN+" at 20.277,34.25 h2 r90
  text "Low-pass Filter (Gain : 100)" at 50.75,23.282 h1.5
  text "RLD" at 25.75,22.75 h1.5
  text "EEG_IN-" at 20.277,21 h2 r90
  text "EEG Measurement B'd  (Rev.B)" at 101.5,15.658 h3.5
  text "Designed by Ganghyeok Lim" at 116.5,11.972 h2.5
  text "Filter Input Selection" at 82.75,9.95 h2
  text "EEG_REF" at 20.277,8.038 h2 r90
  text "1" at 83.525,7.758 h2
  text "Test Signal" at 85.775,7.312 h2
  text "Anti-Alias Filter" at 85.244,5 h2
  text "2" at 83.395,4.758 h2
  text "3" at 83.399,1.996 h2
  text "EEG Signal" at 85.775,1.812 h2
Bottom Overlay:
  text "PIN_EXT_SIG+ ↔ EXT_SIG_IN+" at 25.25,54.033 h1.25
  text "AN_REF1 ↔ AP6VS_TLV171" at 25.25,51.533 h1.25
  text "AN_REF1 ↔ AP6VS_LM317" at 25.25,49.033 h1.25
  text "CN401 ↔ AGND" at 17.25,44.483 h1.25